# Altium PCB TAUV-Interfacer (DESKTOP-2772EO1's conflicted copy 2019-07-07).PcbDoc (part 2 of 3)
Units mil, origin at the board's own origin, x right, y up, seen from the top; angles counter-clockwise.
Board outline 4460 x 2525 mil, 4 copper layers (Component Side, Ground Plane, Power Plane, Solder Side), stack 33.234 mil thick; 225 components, 149 nets, 798 pads, 197 vias.
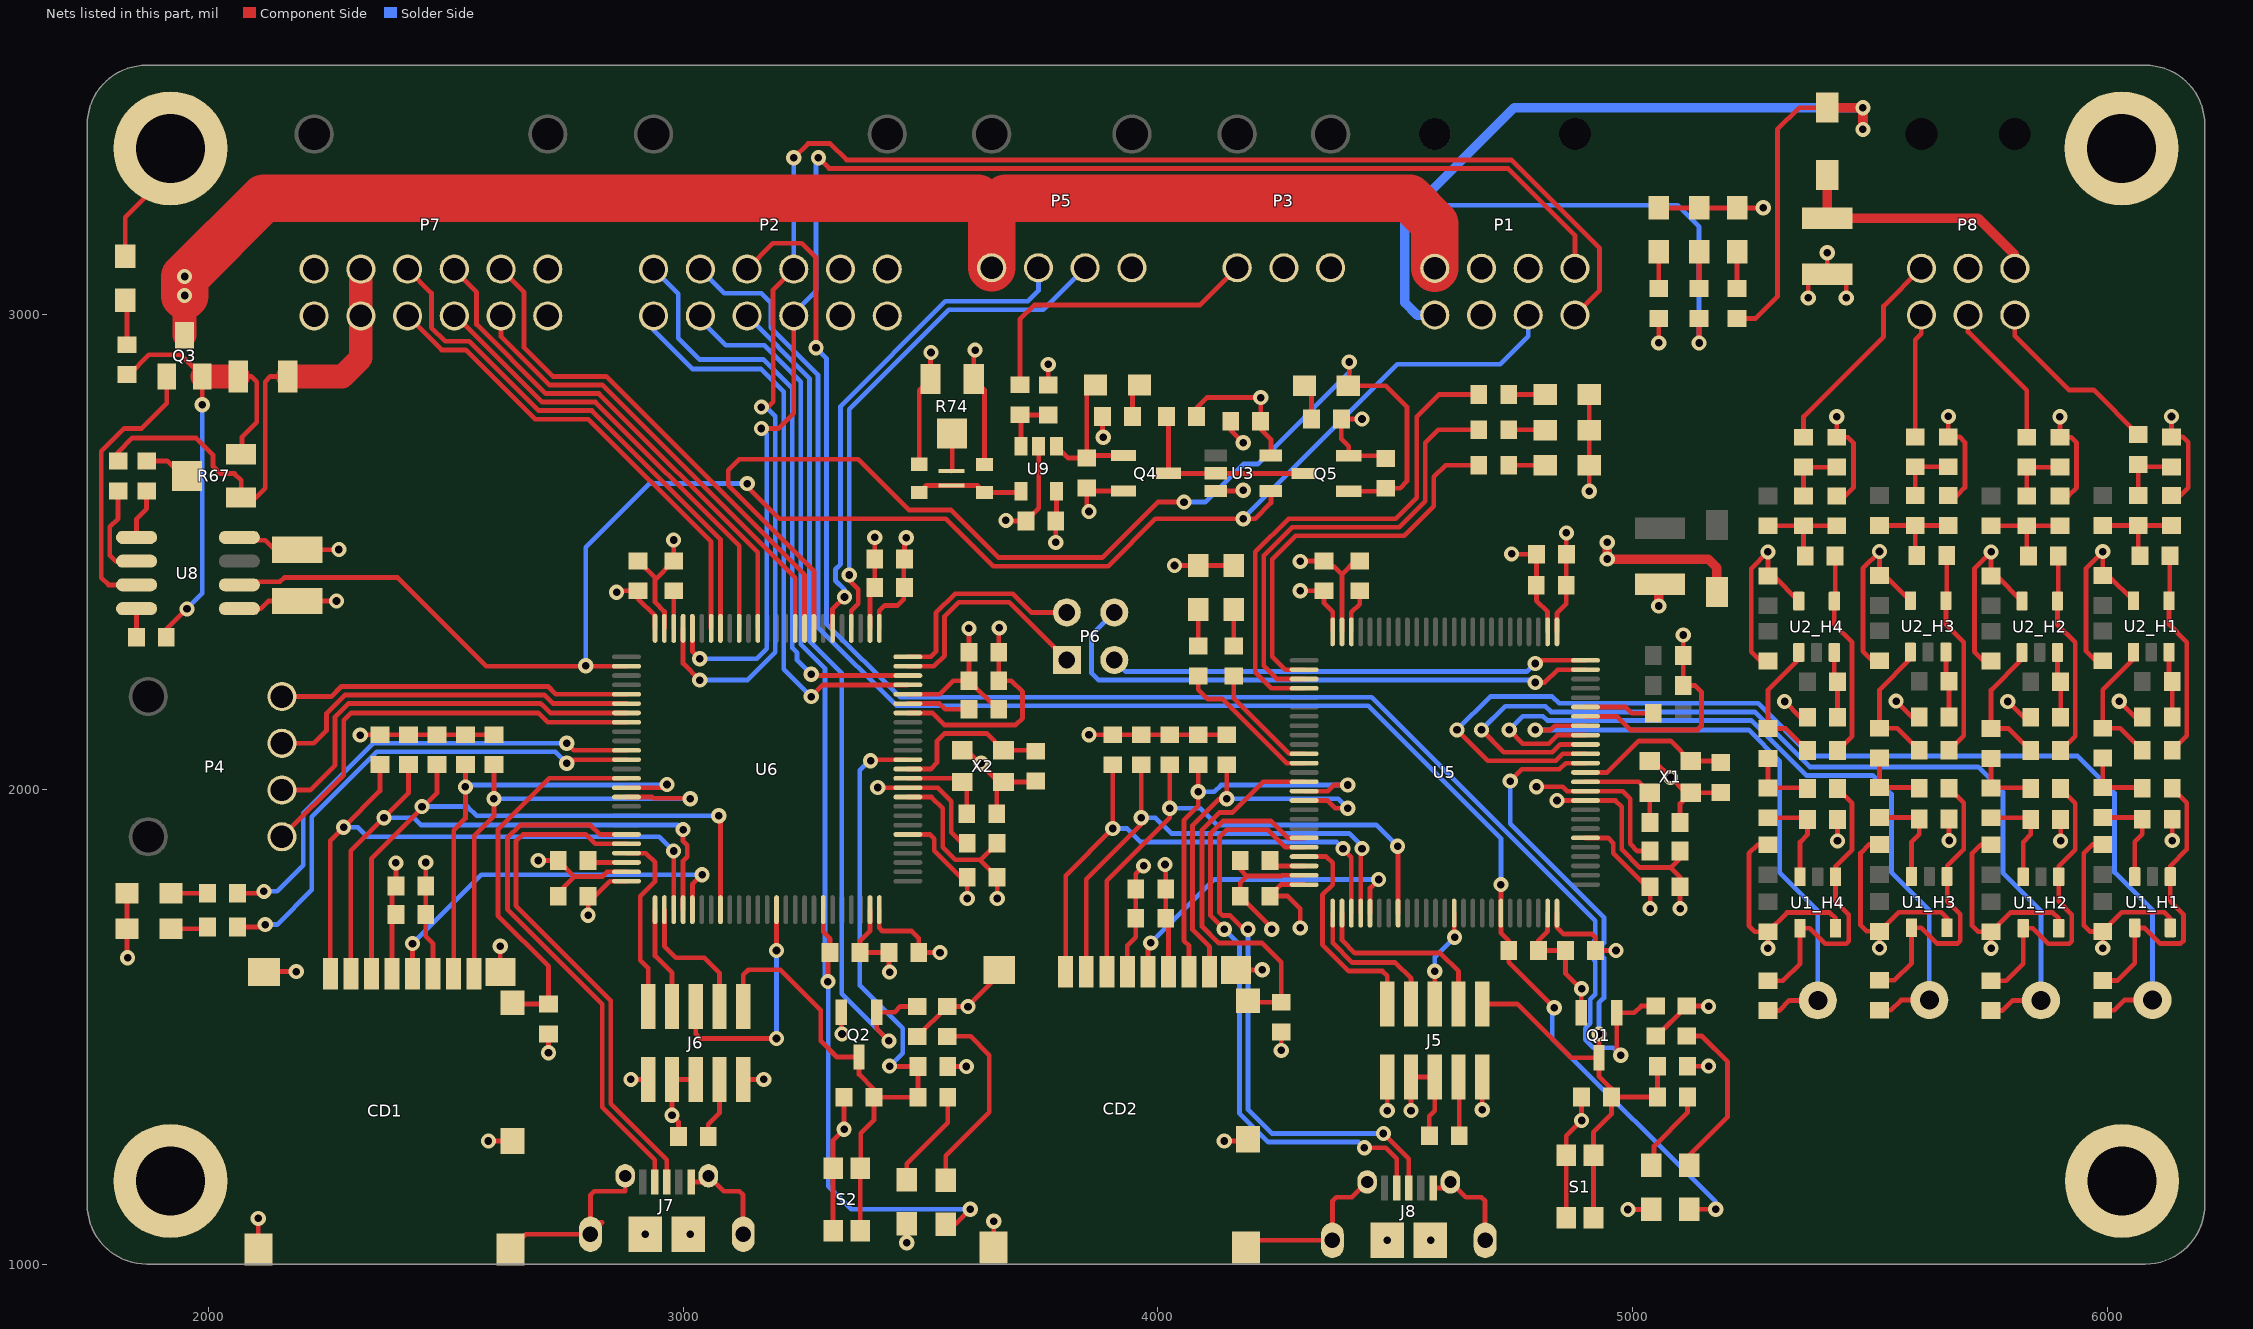
[diagram p4: the nets of this part, all layers, seen from the top]

## Via types
v1: diameter 32, hole 16, Component Side to Solder Side, tented both sides, 193 vias
v2: diameter 32, hole 16, Component Side to Solder Side, 4 vias

## Nets (pads, with @x,y where several pads share a name; then routed paths per layer and width w, separated by ;. In a path a pad name is that pad's centre, name@x,y a point inside that pad or via, vN(x,y) a via of type N, cw(c..) or ccw(c..) an arc to the next point about the centre after c; other vN are vias at no path point) (continued)
GND: C1_H1.2 C1_H2.2 C1_H3.2 C1_H4.2 C2_H1.1 C2_H2.1 C2_H3.1 C2_H4.1 C3_H1.2 C3_H2.2 C3_H3.2 C3_H4.2 C4_H1.1 C4_H2.1 C4_H3.1 C4_H4.1 C7_H1.1 C7_H2.1 C7_H3.1 C7_H4.1 C8_H1.1 C8_H2.1 C8_H3.1 C8_H4.1 C9.1 C17.1 C18.1 C19.1 C20.1 C21.1 C22.1 C23.1 C24.1 C25.1 C26.1 C27.1 C28.1 C29.1 C30.1 C31.1 C32.1 C33.1 C34.1 C35.1 C36.1 C37.1 C38.1 C39.1 C40.1 C41.1 C42.1 C43.1 C44.1 C45.1 C46.1 C47.1 C48.1 C53.2 C55.1 C56.2 C57.1 C58.2 CD1.6 CD1.10 CD1.11 CD1.12 CD1.13 CD1.14 CD2.6 CD2.10 CD2.11 CD2.12 CD2.13 CD2.14 D1.1 D2.1 D3.1 D4.1 D5.1 D6.1 D7.1 D8.1 D9.1 D10.1 D11.1 J5.3 J5.5 J5.9 J6.3 J6.5 J6.9 J7.5 J7.6 J7.7 J7.8 J7.9 J7.10 J7.11 J8.5 J8.6 J8.7 J8.8 J8.9 J8.10 J8.11 MH1.0 MH2.0 MH3.0 MH4.0 P1.6 P1.7 P2.5 P2.6 P2.11 P2.12 P3.2 P5.1 P7.1 P7.6 P7.7 P7.12 P8.5 Q1.2 Q2.2 Q4.2 Q5.2 R9_H1.1 R9_H2.1 R9_H3.1 R9_H4.1 R10_H1.1 R10_H2.1 R10_H3.1 R10_H4.1 R12.2 R13.2 R14.2 R15.2 R41.1 R44.2 R45.2 R46.2 R47.1 R49.2 R50.2 R51.2 R73.2 R74.3 S1.2 S2.2 U1_H1.5 U1_H2.5 U1_H3.5 U1_H4.5 U2_H1.5 U2_H2.5 U2_H3.5 U2_H4.5 U3.3 U5.10 U5.19 U5.26 U5.49 U5.74 U5.99 U6.10 U6.19 U6.26 U6.49 U6.74 U6.99 U8.4 U9.2 X1.2 X1.4 X2.2 X2.4 | length 15227.6
  Component Side w10: D5.1@1825,3122.52 1825,3205 MH3.0@1950,3330 ; D1.1@1828.74,1781.24 D3.1@1828.74,1706.12 1828.74,1646.26 v1(1830,1645) ; U8.4@2065.33,2530.49 2071.1,2524.72 2120,2524.72 2140.1,2504.63 C55.1@2187.07,2504.63 2274.63,2504.63 v1(2275,2505) ; CD1.12@2105.32,1030.77 v1(2105.32,1096.22) ; CD1.13@2117.13,1615.41 2117.68,1615.96 v1(2185,1615.96) ; v1(2458.07,1845.85) C46.1@2458.07,1796.12 C45.1@2458.07,1736.12 2458.07,1690 2473.43,1674.65 CD1.6@2473.43,1611.87 ; v1(2590,1259.11) CD1.10@2640.95,1259.11 ; v1(2615,1669.41) 2615,1615.96 CD1.14@2615.55,1615.41 ; CD1.11@2636.81,1030.77 2668.82,1062.78 J7.10@2804.8,1062.78 2829.6,1087.57 2805.09,1087.57 2805.09,1145.94 2812.71,1153.55 2878.13,1153.55 J7.11@2878.13,1185.81 ; v1(2695,1850) C25.1@2737.01,1850 2770.79,1816.22 ; C28.1@2737.01,1775 2737.01,1782.44 2770.79,1816.22 ; U6.74@2880.87,1826.16 2839.94,1826.16 2830,1816.22 2770.79,1816.22 ; C29.1@2905,2480.98 2940.91,2445.08 2940.91,2441.61 ; U6.49@2960.59,2338.96 2960.59,2374.41 2940.91,2394.09 2940.91,2441.61 ; v1(2980,2525) 2980.28,2524.72 C26.1@2980.28,2480.98 2940.91,2441.61 ; R47.1@2990.16,1268.84 2990.16,1299.84 v1(2976.65,1313.35) J6.3@2976.65,1388.84 J6.5@3026.65,1388.84 ; J7.5@3016.91,1173.01 3040.53,1173.01 J7.6@3053.33,1185.81 3085.58,1153.55 3118.75,1153.55 3126.37,1145.94 3126.37,1062.78 J7.7@3126.65,1062.78 ; J6.9@3126.65,1388.84 v1(3170,1388.84) ; S2.2@3315.95,1070.18 S2.2@3315.95,1202.07 3315.95,1260.95 v1(3339.06,1284.06) C24.1@3339.06,1351.12 ; Q2.2@3333.15,1530.61 3333.15,1486.08 v1(3334.61,1484.63) ; U6.99@3393.66,1746.44 3393.66,1701.34 3372.56,1680.24 R50.2@3372.56,1656.12 C32.1@3433.5,1656.12 3433.5,1616.5 v1(3435,1615) ; U6.26@3413.35,2338.96 3413.35,2375.59 3425,2387.24 3452.24,2387.24 3465,2400 3465,2483.5 C39.1@3466.5,2485 3466.5,2526.5 v1(3470,2530) ; U6.10@3473.39,1983.64 3523.03,1983.64 3547,1959.67 3547,1877.81 3573.15,1851.66 3626.95,1851.66 ; U6.19@3473.39,2160.81 3525.24,2160.81 3550.4,2135.64 3700.64,2135.64 3715,2150 3715,2205 3691.18,2228.82 C40.1@3665,2228.82 C41.1@3665,2288.82 3665,2338.94 v1(3666.06,2340) ; R49.2@3493.35,1479.63 3556.06,1542.34 R51.2@3556.06,1542.62 3599.72,1542.62 3666.06,1608.96 CD2.13@3666.06,1619.29 ; X2.2@3588.19,2082.15 3597.85,2082.15 X2.4@3664.78,2015.22 ; v1(3615,2925) 3612.13,2922.13 R74.3@3612.13,2863.85 3635,2840.98 R73.2@3635,2684.06 ; CD2.12@3654.25,1034.65 v1(3654.25,1090) ; C22.1@3660.55,1948.76 3660.55,2010.98 X2.4@3664.78,2015.22 ; v1(3661.5,1770) C27.1@3661.5,1814.55 3626.95,1849.09 3626.95,1851.66 ; C31.1@3661.5,1886.21 3626.95,1851.66 ; v1(3680,2566.38) 3681.38,2565 C56.2@3722.01,2565 3748.98,2591.97 U9.2@3748.98,2722.24 ; C23.1@3742.56,2017.26 3740.51,2015.22 X2.4@3674.8,2015.22 X2.4@3664.78,2015.22 ; C57.1@3768.98,2851.5 v1(3768.98,2895) ; v1(3855,2585) 3850,2590 R12.2@3850,2634.57 3856.38,2628.19 Q4.2@3927.76,2628.19 ; R15.2@3883.5,2785 3883.5,2742.99 v1(3885,2741.5) ; v1(4015,1841.66) 4016.5,1840.17 C48.1@4016.5,1790 C47.1@4016.5,1728.5 4022.36,1722.64 CD2.6@4022.36,1615.75 ; v1(4035,2471.26) D4.1@4085,2471.26 D2.1@4160,2471.26 D2.1@4163.74,2475 ; U3.3@4121.93,2628.19 4178.19,2628.19 v1(4180,2630) ; v1(4140,1259.11) 4186,1259.11 CD2.10@4189.88,1262.99 ; C9.1@4153.5,2775 4153.5,2756.5 v1(4180,2730) ; CD2.14@4164.49,1619.29 4219.29,1619.29 v1(4220,1620) ; C20.1@4173.5,1850 4173.5,1831.5 4187.69,1817.31 ; CD2.11@4185.75,1034.65 4201.1,1050 J8.10@4367.58,1050 4367.87,1050 4367.87,1133.16 4375.48,1140.78 4408.65,1140.78 J8.11@4440.91,1173.03 ; v1(4240,1705) 4240,1708.5 C35.1@4173.5,1775 4173.5,1803.13 4187.69,1817.31 ; v1(4300,2480) 4300.98,2480.98 C38.1@4335,2480.98 ; U5.74@4308.11,1818.88 4261.16,1818.88 4259.6,1817.31 4187.69,1817.31 ; C38.1@4350,2480.98 C38.1@4346.75,2480.98 ; C38.1@4350,2484.23 C38.1@4346.75,2480.98 ; U5.49@4387.83,2331.67 4387.83,2452.17 ; C21.1@4425,2480.98 4415.98,2480.98 4387.83,2452.83 4387.83,2452.17 ; v1(4430,2780) R14.2@4386.5,2780 4386.5,2737.99 4402.24,2722.24 Q5.2@4402.24,2702.4 4474.61,2702.4 R13.2@4480,2697.01 ; v1(4533.23,1323.23) J5.3@4533.23,1394.25 J5.5@4583.23,1394.25 4583.23,1323.23 4571.81,1311.81 R41.1@4571.81,1270 ; J8.5@4579.69,1160.24 4603.31,1160.24 J8.6@4616.1,1173.03 4648.36,1140.78 4681.53,1140.78 4689.14,1133.16 4689.14,1050 J8.7@4689.43,1050 ; v1(4683.11,1325) 4683.23,1325.12 J5.9@4683.23,1394.25 ; U5.99@4820.91,1739.15 4820.91,1700.91 4801.93,1681.93 R45.2@4801.93,1660.49 C33.1@4858.5,1660.49 4858.5,1612.13 4891.54,1579.09 Q1.2@4891.54,1529.09 ; v1(4840.59,1976.36) U5.10@4900.63,1976.36 4963.64,1976.36 4977,1963 4977,1873.21 5015,1835.21 5079.79,1835.21 5080,1835 ; U5.26@4840.59,2331.67 4840.59,2370.59 4860.39,2390.39 C42.1@4860.39,2495 v1(4860.39,2540) ; S1.2@4860.39,1097.17 S1.2@4860.39,1229.05 4860.39,1270.39 v1(4892.44,1302.44) C19.1@4892.44,1351.85 ; U5.19@4900.63,2153.52 4966.48,2153.52 4995,2125 5136.54,2125 5145,2133.46 5145,2205 5131.24,2218.76 C43.1@5106.5,2218.76 C44.1@5106.5,2281.75 v1(5106.5,2325) v1@5106.5,2329.85 ; v1(4908.65,2627.6) D11.1@4908.65,2682.36 D8.1@4908.65,2756.5 D6.1@4908.65,2831.5 ; X1.2@5036.02,2059.55 5045.45,2059.55 v1(5080,2025) 5112.38,1992.62 X1.4@5122.64,1992.62 ; R44.2@5048.94,1480.35 5050.94,1480.35 R46.2@5113.94,1543.35 5159.27,1543.35 v1(5160,1542.62) ; D9.1@5054.82,3224.56 D7.1@5140,3224.56 D10.1@5220,3224.56 5274.56,3224.56 v1(5275,3225) ; C36.1@5099.88,1870 5099.88,1854.88 5080,1835 ; C17.1@5099.88,1930 5099.88,1969.86 X1.4@5122.64,1992.62 ; v1(5100,1748.74) 5099.88,1748.86 C34.1@5099.88,1795 5099.88,1815.12 5080,1835 ; C18.1@5185.67,1993.5 5184.78,1992.62 X1.4@5122.64,1992.62 ; 5245,1862.38 5245,1712.62 5257.62,1700 C2_H4.1@5285,1700 ; 5245,1865 5262.99,1882.99 C1_H4.2@5285,1882.99 ; v1(5285,1665) C2_H4.1@5285,1700 ; C4_H4.1@5285,2270 5270,2270 5250,2290 5250,2465 v1(5285,2500) C3_H4.2@5285,2449.49 5297.01,2449.49 U2_H4.5@5350,2396.5 ; v1(5320,2185) 5353.5,2151.5 R10_H4.1@5368.5,2151.5 ; v1(5370,3035) 5370,3070 5384.84,3084.84 C58.2@5410,3084.84 ; v1(5410,3130) C58.2@5410,3084.84 ; U1_H4.5@5427.4,1707.36 5427.4,1727.97 5415,1740.37 5325.37,1740.37 C2_H4.1@5285,1700 ; R9_H4.1@5430,2617.99 5447.99,2617.99 5465,2635 5465,2730 5453.5,2741.5 C7_H4.1@5430,2741.5 v1(5430,2784.59) ; v1(5431.5,1891.36) C8_H4.1@5431.5,1936.5 ; v1(5450,3035) 5450,3079.84 5445,3084.84 C58.2@5410,3084.84 ; v1(5520,1665.75) C2_H3.1@5520,1700.75 ; C1_H3.2@5520,1883.74 5497.99,1883.74 5480,1865.75 5480,1713.37 5492.62,1700.75 C2_H3.1@5520,1700.75 ; C4_H3.1@5520,2270.75 5505,2270.75 5485,2290.75 5485,2465.75 v1(5520,2500.75) C3_H3.2@5520,2450.24 5532.01,2450.24 U2_H3.5@5585,2397.24 ; v1(5555,2185.75) 5588.5,2152.24 R10_H3.1@5603.5,2152.24 ; U1_H3.5@5662.4,1708.11 5662.4,1728.72 5650,1741.12 5560.37,1741.12 C2_H3.1@5520,1700.75 ; R9_H3.1@5665,2618.74 5682.99,2618.74 5700,2635.75 5700,2730.75 5688.5,2742.24 C7_H3.1@5665,2742.24 v1(5665,2785.33) ; v1(5666.5,1892.11) C8_H3.1@5666.5,1937.24 ; v1(5755,1665) C2_H2.1@5755,1700 ; C1_H2.2@5755,1882.99 5732.99,1882.99 5715,1865 5715,1712.62 5727.62,1700 C2_H2.1@5755,1700 ; C4_H2.1@5755,2270 5740,2270 5720,2290 5720,2465 v1(5755,2500) C3_H2.2@5755,2449.49 5767.01,2449.49 U2_H2.5@5820,2396.5 ; v1(5790,2185) 5823.5,2151.5 R10_H2.1@5838.5,2151.5 ; U1_H2.5@5897.4,1707.36 5897.4,1727.97 5885,1740.37 5795.37,1740.37 C2_H2.1@5755,1700 ; R9_H2.1@5900,2617.99 5917.99,2617.99 5935,2635 5935,2730 5923.5,2741.5 C7_H2.1@5900,2741.5 v1(5900,2784.59) ; v1(5901.5,1891.36) C8_H2.1@5901.5,1936.5 ; v1(5990,1665.59) C2_H1.1@5990,1700.59 ; C1_H1.2@5990,1883.58 5967.99,1883.58 5950,1865.59 5950,1713.21 5962.62,1700.59 C2_H1.1@5990,1700.59 ; C4_H1.1@5990,2270.59 5975,2270.59 5955,2290.59 5955,2465.59 v1(5990,2500.59) C3_H1.2@5990,2450.08 6002.01,2450.08 U2_H1.5@6055,2397.09 ; v1(6025,2185.59) 6058.5,2152.09 R10_H1.1@6073.5,2152.09 ; U1_H1.5@6132.4,1707.95 6132.4,1728.56 6120,1740.96 6030.37,1740.96 C2_H1.1@5990,1700.59 ; R9_H1.1@6135,2618.58 6152.99,2618.58 6170,2635.59 6170,2730.59 6158.5,2742.09 C7_H1.1@6135,2742.09 v1(6135,2785.18) ; v1(6136.5,1891.95) C8_H1.1@6136.5,1937.09 ; C38.1@4335,2480.98 4345.98,2470 4370,2470 4387.83,2452.17 ; C38.1@4335,2480.98 C38.1@4346.75,2480.98
  Component Side w20: v1(5055.06,2385.98) 5055.06,2429.37 C53.2@5057.62,2431.93
  other v1: 3600,1542.34 4892.44,1580 3627.95,2055
  other v2: 4483.23,1050 4575,1050 2920,1062.78 3015,1062.78
HALL_SENSE: P1.3 U3.4 U6.52 U8.2 | length 3612.2
  Component Side w10: U8.2@2065.33,2430.49 2065.33,2436.92 2150.92,2436.92 2160,2446 2399,2446 2585.77,2259.23 U6.52@2880.87,2259.23 ; v1(3135,2643.94) 3135,2637.32 3202.32,2570 3553.19,2570 3653.19,2470 3895,2470 3995,2570 v1(4180,2570) 4205,2570 4238.07,2603.07 U3.4@4238.07,2628.19
  Solder Side w10: v1(2795,2260) 2795,2510 2928.94,2643.94 v1(3135,2643.94) ; v1(4180,2570) 4180,2571.01 4503.99,2895 4720.69,2895 4780.08,2954.39 P1.3@4780.08,2998.9
HYDRO1: R5_H1.2 TP1_H1.1 U5.15 | length 2385.1
  Component Side w10: v1(4630,2125) 4695,2060 4838.38,2060 4853.16,2074.78 U5.15@4900.63,2074.78 ; R5_H1.2@5990,1534.47 6013.88,1534.47 6035.37,1555.96 TP1_H1.1@6095,1555.96
  Solder Side w10: v1(4630,2125) 4700.28,2195.28 4830.72,2195.28 4845,2181 5264.62,2181 5375.62,2070 5937.13,2070 6015,1992.13 6015,1824.84 6095,1744.84 TP1_H1.1@6095,1555.96
HYDRO2: R5_H2.2 TP1_H2.1 U5.16 | length 2025.5
  Component Side w10: v1(4681.65,2125) 4728.65,2078 4830.92,2078 4847.39,2094.47 U5.16@4900.63,2094.47 ; R5_H2.2@5755,1533.88 5778.88,1533.88 5800.37,1555.37 TP1_H2.1@5860,1555.37
  Solder Side w10: v1(4681.65,2125) 4731.65,2175 4816.28,2175 4828.28,2163 5257.16,2163 5373.04,2047.13 5727.87,2047.13 5780,1995 5780,1824.25 5860,1744.25 TP1_H2.1@5860,1555.37
HYDRO3: R5_H3.2 TP1_H3.1 U5.17 | length 1646
  Component Side w10: v1(4740,2125) 4769,2096 4823.46,2096 4841.62,2114.15 U5.17@4900.63,2114.15 ; R5_H3.2@5520,1534.63 5543.88,1534.63 5565.37,1556.12 TP1_H3.1@5625,1556.12
  Solder Side w10: v1(4740,2125) 4769,2154 4811,2154 4820,2145 5249.71,2145 5365.58,2029.13 5505.87,2029.13 5545,1990 5545,1825 5625,1745 TP1_H3.1@5625,1556.12
HYDRO4: R5_H4.2 TP1_H4.1 U5.18 | length 1302.4
  Component Side w10: v1(4795,2125) 4827.01,2125 4835.85,2133.84 U5.18@4900.63,2133.84 ; R5_H4.2@5285,1533.88 5308.88,1533.88 5330.37,1555.37 TP1_H4.1@5390,1555.37
  Solder Side w10: v1(4795,2125) 5244.25,2125 5310,2059.25 5310,1824.25 5390,1744.25 TP1_H4.1@5390,1555.37
HYDRO_IN_1: P8.3 R3_H1.1 | length 390
  Component Side w10: P8.3@5805,2998.9 5805,2955 5918.96,2841.04 5971.04,2841.04 R3_H1.1@6065,2747.09
HYDRO_IN_2: P8.2 R3_H2.1 | length 308.5
  Component Side w10: P8.2@5706.57,2998.9 5706.57,2963.43 5830,2840 R3_H2.1@5830,2741.5
HYDRO_IN_3: P8.1 R3_H3.1 | length 262.1
  Component Side w10: R3_H3.1@5595,2742.24 5595,2946.5 5608.15,2959.65 P8.1@5608.15,2998.9
HYDRO_IN_4: P8.4 R3_H4.1 | length 458.6
  Component Side w10: R3_H4.1@5360,2741.5 5360,2785 5528.5,2953.5 5528.5,3017.68 P8.4@5608.15,3097.32
IND_PING: R34.1 U5.54 | length 1078.4
  Component Side w10: U5.54@4308.11,2212.58 4239.24,2212.58 4205,2246.82 4205,2499.82 4275.18,2570 4500.79,2570 4545.31,2614.53 4545.31,2785 4591.81,2831.5 R34.1@4675.89,2831.5
IND_SCAN: R39.1 U5.52 | length 836.7
  Component Side w10: U5.52@4308.11,2251.95 4268.49,2251.95 4241,2279.44 4241,2484.91 4290.09,2534 4519,2534 4581.31,2596.31 4581.31,2657.81 4605.87,2682.36 R39.1@4675.89,2682.36
IND_SEARCH: R36.1 U5.53 | length 963.2
  Component Side w10: U5.53@4308.11,2232.26 4251.23,2232.26 4223,2260.5 4223,2492.37 4282.63,2552 4508.24,2552 4563.31,2607.07 4563.31,2729.81 4590.85,2757.34 R36.1@4675.89,2757.34
MCU1_BOOT: D16.2 P2.2 R50.1 U6.94 | length 2540
  Component Side w10: U6.94@3295.24,1746.44 3295,1746.2 3295,1699.57 3309.57,1685 R50.1@3309.57,1656.12 3305,1651.55 v1(3305,1595) ; D16.2@3553.01,1083.74 3573.15,1083.74 v1(3605,1115.59)
  Solder Side w10: P2.2@3036.3,2997.13 3036.3,2988.7 3090,2935 3171.39,2935 3248,2858.39 3248,2305.29 3299,2254.29 3299,1595 v1(3305,1595) 3305.61,1594.39 3305.61,1164 3354.02,1115.59 v1(3605,1115.59)
MCU1_GPIO1: P4.1 U6.55 | length 741.4
  Component Side w10: P4.1@2155,2195.28 2258.91,2195.28 2280.12,2216.49 2715.68,2216.49 2732,2200.18 U6.55@2880.87,2200.18
MCU1_GPIO2: P4.2 U6.56 | length 796.5
  Component Side w10: P4.2@2155,2096.85 2221.85,2096.85 2249,2124 2249,2159.91 2287.58,2198.49 2708.23,2198.49 2726.23,2180.49 U6.56@2880.87,2180.49
MCU1_GPIO3: P4.3 U6.57 | length 868.8
  Component Side w10: P4.3@2155,1998.43 2214.31,1998.43 2267,2051.11 2267,2152.46 2295.04,2180.49 2700,2180.49 2701.68,2178.81 2702.46,2178.81 2720.46,2160.81 U6.57@2880.87,2160.81
MCU1_GPIO4: P4.4 U6.58 | length 909.4
  Component Side w10: P4.4@2155,1900 2285,2030 2285,2145 2300.81,2160.81 2695,2160.81 2714.69,2141.12 U6.58@2880.87,2141.12
MCU1_I2C_SCL: P1.8 P2.4 U6.46 | length 3059.8
  Component Side w10: U6.46@3019.65,2338.96 3019.65,2290.35 v1(3035,2275) ; v1(3165,2760) 3201,2760 3233.15,2792.15 P2.4@3233.15,2997.13 ; v1(3285,3330) 3307.34,3307.66 4737.34,3307.66 4878.5,3166.5 P1.8@4878.5,3097.32
  Solder Side w10: v1(3035,2275) 3155,2275 3176,2296 3176,2749 v1(3165,2760) ; P2.4@3233.15,2997.13 3233.15,3003.15 3280,3050 3280,3325 v1(3285,3330)
MCU1_I2C_SDA: P1.4 P2.10 U6.47 | length 3365.7
  Component Side w10: U6.47@2999.96,2338.96 2999.96,2265.04 v1(3035,2230) ; v1(3165,2805) 3178.45,2805 3190,2816.55 3190,2978.46 3189.44,2979.02 3189.44,3051.84 P2.10@3233.15,3095.55 ; v1(3233.15,3330) 3263.15,3360 3310,3360 3344.34,3325.66 4744.79,3325.66 4930,3140.46 4930,3050.39 P1.4@4878.5,2998.9
  Solder Side w10: v1(3035,2230) 3135.46,2230 3194,2288.54 3194,2786 3175,2805 v1(3165,2805) ; P2.10@3233.15,3095.55 v1(3233.15,3330)
MCU1_IND1: R29.1 U6.61 | length 1020.3
  Component Side w10: R29.1@2061.5,1781.24 2113.37,1781.24 v1(2117.13,1785) ; v1(2755,2096.85) 2769.78,2082.07 U6.61@2880.87,2082.07
  Solder Side w10: v1(2117.13,1785) 2145,1785 2200,1840 2200,1949.46 2347.39,2096.85 v1(2755,2096.85)
MCU1_IND2: R31.1 U6.62 | length 1075.3
  Component Side w10: R31.1@2061.5,1710 2115,1710 v1(2120,1715) ; v1(2755,2055) 2762.38,2062.38 U6.62@2880.87,2062.38
  Solder Side w10: v1(2120,1715) 2145,1715 2218,1788 2218,1942 2354.85,2078.85 2731.15,2078.85 v1(2755,2055)
MCU1_NRST: C24.2 J6.10 Q2.3 R48.2 R75.1 S2.1 U6.14 | length 1820.3
  Component Side w10: J6.10@3126.65,1542.38 3126.65,1608.9 3137.76,1620 3205,1620 3290,1535 3290,1470 3323.88,1436.12 Q2.3@3370.55,1436.12 3370.55,1399.45 3402.05,1367.95 C24.2@3402.05,1351.12 ; S2.1@3373.03,1070.18 S2.1@3373.03,1202.07 3373.98,1203.01 3373.98,1275 3402.05,1303.07 C24.2@3402.05,1351.12 ; v1(3395,2060) 3397.38,2062.38 U6.14@3473.39,2062.38 ; v1(3435,1416.85) 3435.73,1416.12 R75.1@3494.57,1416.12 R48.2@3494.57,1351.12 C24.2@3402.05,1351.12
  Solder Side w10: v1(3395,2060) 3392.02,2060 3372.02,2040 3372.02,1586.86 3462.5,1496.37 3462.5,1444.35 v1(3435,1416.85)
MCU1_OSC_IN: C22.2 U6.12 X2.3 | length 188.4
  Component Side w10: U6.12@3473.39,2023.01 3580.39,2023.01 X2.3@3588.19,2015.22 3597.56,2005.85 C22.2@3597.56,1948.76
MCU1_OSC_OUT: C23.2 U6.13 X2.1 | length 342.4
  Component Side w10: U6.13@3473.39,2042.7 3521.2,2042.7 3535,2056.5 3535,2101.99 3550.65,2117.64 3639.31,2117.64 X2.1@3674.8,2082.15 3740.67,2082.15 C23.2@3742.56,2080.26
MCU1_PWM0: P7.10 U6.39 | length 1087.2
  Component Side w10: P7.10@2518.15,3095.55 2518.15,3093.98 2565,3047.13 2565,2979.09 2710.5,2833.59 2822.78,2833.59 3157.44,2498.93 U6.39@3157.44,2338.96
MCU1_PWM1: P7.4 U6.41 | length 974.4
  Component Side w10: P7.4@2518.15,2997.13 2521.51,2997.13 2703.05,2815.59 2815.33,2815.59 3118.07,2512.84 U6.41@3118.07,2338.96
MCU1_PWM2: P7.9 U6.43 | length 1125.1
  Component Side w10: P7.9@2419.72,3095.55 2470,3045.28 2470,2972.31 2498.81,2943.49 2549.68,2943.49 2695.59,2797.59 2807.87,2797.59 3078.7,2526.75 U6.43@3078.7,2338.96
MCU1_PWM3: P7.3 U6.44 | length 1018.5
  Component Side w10: P7.3@2419.72,2997.13 2491.36,2925.49 2542.23,2925.49 2688.13,2779.59 2800.41,2779.59 3059.02,2520.98 U6.44@3059.02,2338.96
MCU1_PWM4: P7.11 U6.34 | length 1087.2
  Component Side w10: P7.11@2616.57,3095.55 2665,3047.13 2665,2930 2725.41,2869.59 2837.69,2869.59 3255.87,2451.41 U6.34@3255.87,2338.96
MCU1_PWM5: P7.5 U6.35 | length 980.6
  Component Side w10: P7.5@2616.57,2997.13 2616.57,2952.97 2717.96,2851.59 2830.24,2851.59 3236.18,2445.64 U6.35@3236.18,2338.96
MCU1_SD_CK: CD1.5 U6.80 | length 815.2
  Component Side w10: v1(2430,1675) 2430.12,1674.88 CD1.5@2430.12,1611.87 ; U6.80@3019.65,1746.44 3019.65,1799.65 v1(3040,1820)
  Solder Side w10: v1(2430,1675) 2575,1820 v1(3040,1820)
MCU1_SD_CMD: CD1.3 R56.1 U6.83 | length 1329.5
  Component Side w10: CD1.3@2343.5,1611.87 2343.5,1853.5 2481.58,1991.58 R56.1@2481.58,2051.87 ; v1(3075,1944.27) 3078.7,1940.57 U6.83@3078.7,1746.44
  Solder Side w10: v1(2450,1963.5) 2545.77,1963.5 2565,1944.27 v1(3075,1944.27)
MCU1_SD_D0: CD1.7 R57.1 U6.65 | length 965.3
  Component Side w10: CD1.7@2516.73,1611.87 2516.73,1913.72 2541.58,1938.56 v1(2541.58,2005) R57.1@2541.58,2051.87 ; U6.65@2880.87,2003.33 2959.33,2003.33 v1(2966,2010)
  Solder Side w10: v1(2541.58,2005) 2545.58,2009 2966,2009 v1(2966,2010)
MCU1_SD_D1: CD1.8 R58.1 U6.66 | length 1006.3
  Component Side w10: CD1.8@2560.04,1611.87 2560.04,1902.03 2601.58,1943.56 v1(2601.58,1980) R58.1@2601.58,2051.87 ; U6.66@2880.87,1983.64 2935.23,1983.64 2937.87,1981 3014,1981 v1(3015,1980)
  Solder Side w10: v1(2601.58,1980) v1(3015,1980)
MCU1_SD_D2: CD1.1 R54.1 U6.78 | length 1322.8
  Component Side w10: CD1.1@2256.89,1611.87 2256.89,1891.89 v1(2285,1920) 2361.58,1996.58 R54.1@2361.58,2051.87 ; v1(2980,1870) 2980.28,1869.72 U6.78@2980.28,1746.44
  Solder Side w10: v1(2285,1920) 2315,1920 2335,1900 2950,1900 v1(2980,1870)
MCU1_SD_D3: CD1.2 R55.1 U6.79 | length 1306.7
  Component Side w10: CD1.2@2300.2,1611.87 2300.2,1870.2 v1(2370,1940) 2421.58,1991.58 R55.1@2421.58,2051.87 ; U6.79@2999.96,1746.44 3000,1746.48 3000,1848.99 3009,1857.99 3009,1882.01 3000,1891.01 v1(3000,1915)
  Solder Side w10: v1(2370,1940) 2432.49,1940 2447.49,1925 2990,1925 v1(3000,1915)
MCU1_SD_DETECT: CD1.9 R59.1 U6.64 | length 803.9
  Component Side w10: CD1.9@2640.95,1550.45 2643.78,1547.62 R59.1@2716.58,1547.62 2716.58,1627.52 2610,1734.09 2610,1915 2718.01,2023.01 U6.64@2880.87,2023.01
MCU1_SOFT_FAULT: D12.2 Q5.1 R13.1 U6.33 | length 2475.2
  Component Side w10: U6.33@3275.55,2338.96 3275.55,2459.92 3095,2640.47 3095,2672.17 3117.83,2695 3369,2695 3476,2588 3564.54,2588 3664.54,2488 3883,2488 4000,2605 v1(4055,2605) ; Q5.1@4402.24,2627.6 4473.58,2627.6 R13.1@4480,2634.02 4510.08,2634.02 4524.69,2648.62 4524.69,2805.31 4480,2850 D12.2@4401.26,2850 4403,2851.74 v1(4403,2900)
  Solder Side w10: v1(4055,2605) 4100,2605 4180,2685 4210,2685 4403,2878 v1(4403,2900)
MCU1_SPI1_MOSI: P5.3 U6.31 | length 1056.7
  Component Side w10: U6.31@3314.92,2338.96 3314.92,2379.92 v1(3340,2405)
  Solder Side w10: v1(3340,2405) 3340,2420.4 3321,2439.4 3321,2463.42 3331.57,2474 3331.57,2807.03 3552.54,3028 3726.43,3028 3748.43,3050 P5.3@3748.43,3098.5
MCU1_SPI1_SCK: P5.2 U6.29 | length 1095.5
  Component Side w10: v1(3350,2451.41) 3350,2440.24 3369,2421.24 3369,2391.09 3354.29,2376.38 U6.29@3354.29,2338.96
  Solder Side w10: v1(3350,2451.41) 3350,2800 3560,3010 3758.35,3010 P5.2@3846.85,3098.5
MCU1_TCK: J6.4 U6.76 | length 218.9
  Component Side w10: U6.76@2940.91,1746.44 2940.91,1649.09 2976.65,1613.35 J6.4@2976.65,1542.38
MCU1_TDI: J6.8 U6.77 | length 287.3
  Component Side w10: U6.77@2960.59,1746.44 2960.59,1669.41 2985,1645 3045,1645 3076.65,1613.35 J6.8@3076.65,1542.38
MCU1_TDO: J6.6 U6.89 | length 503.3
  Component Side w10: J6.6@3026.65,1542.38 3026.65,1484.65 3036.3,1475 v1(3196.81,1475) ; v1(3196.81,1660.49) U6.89@3196.81,1746.44